# Altium PCB DMP_SEM_MAIN_PCB.PcbDoc (part 1 of 2) (continued)
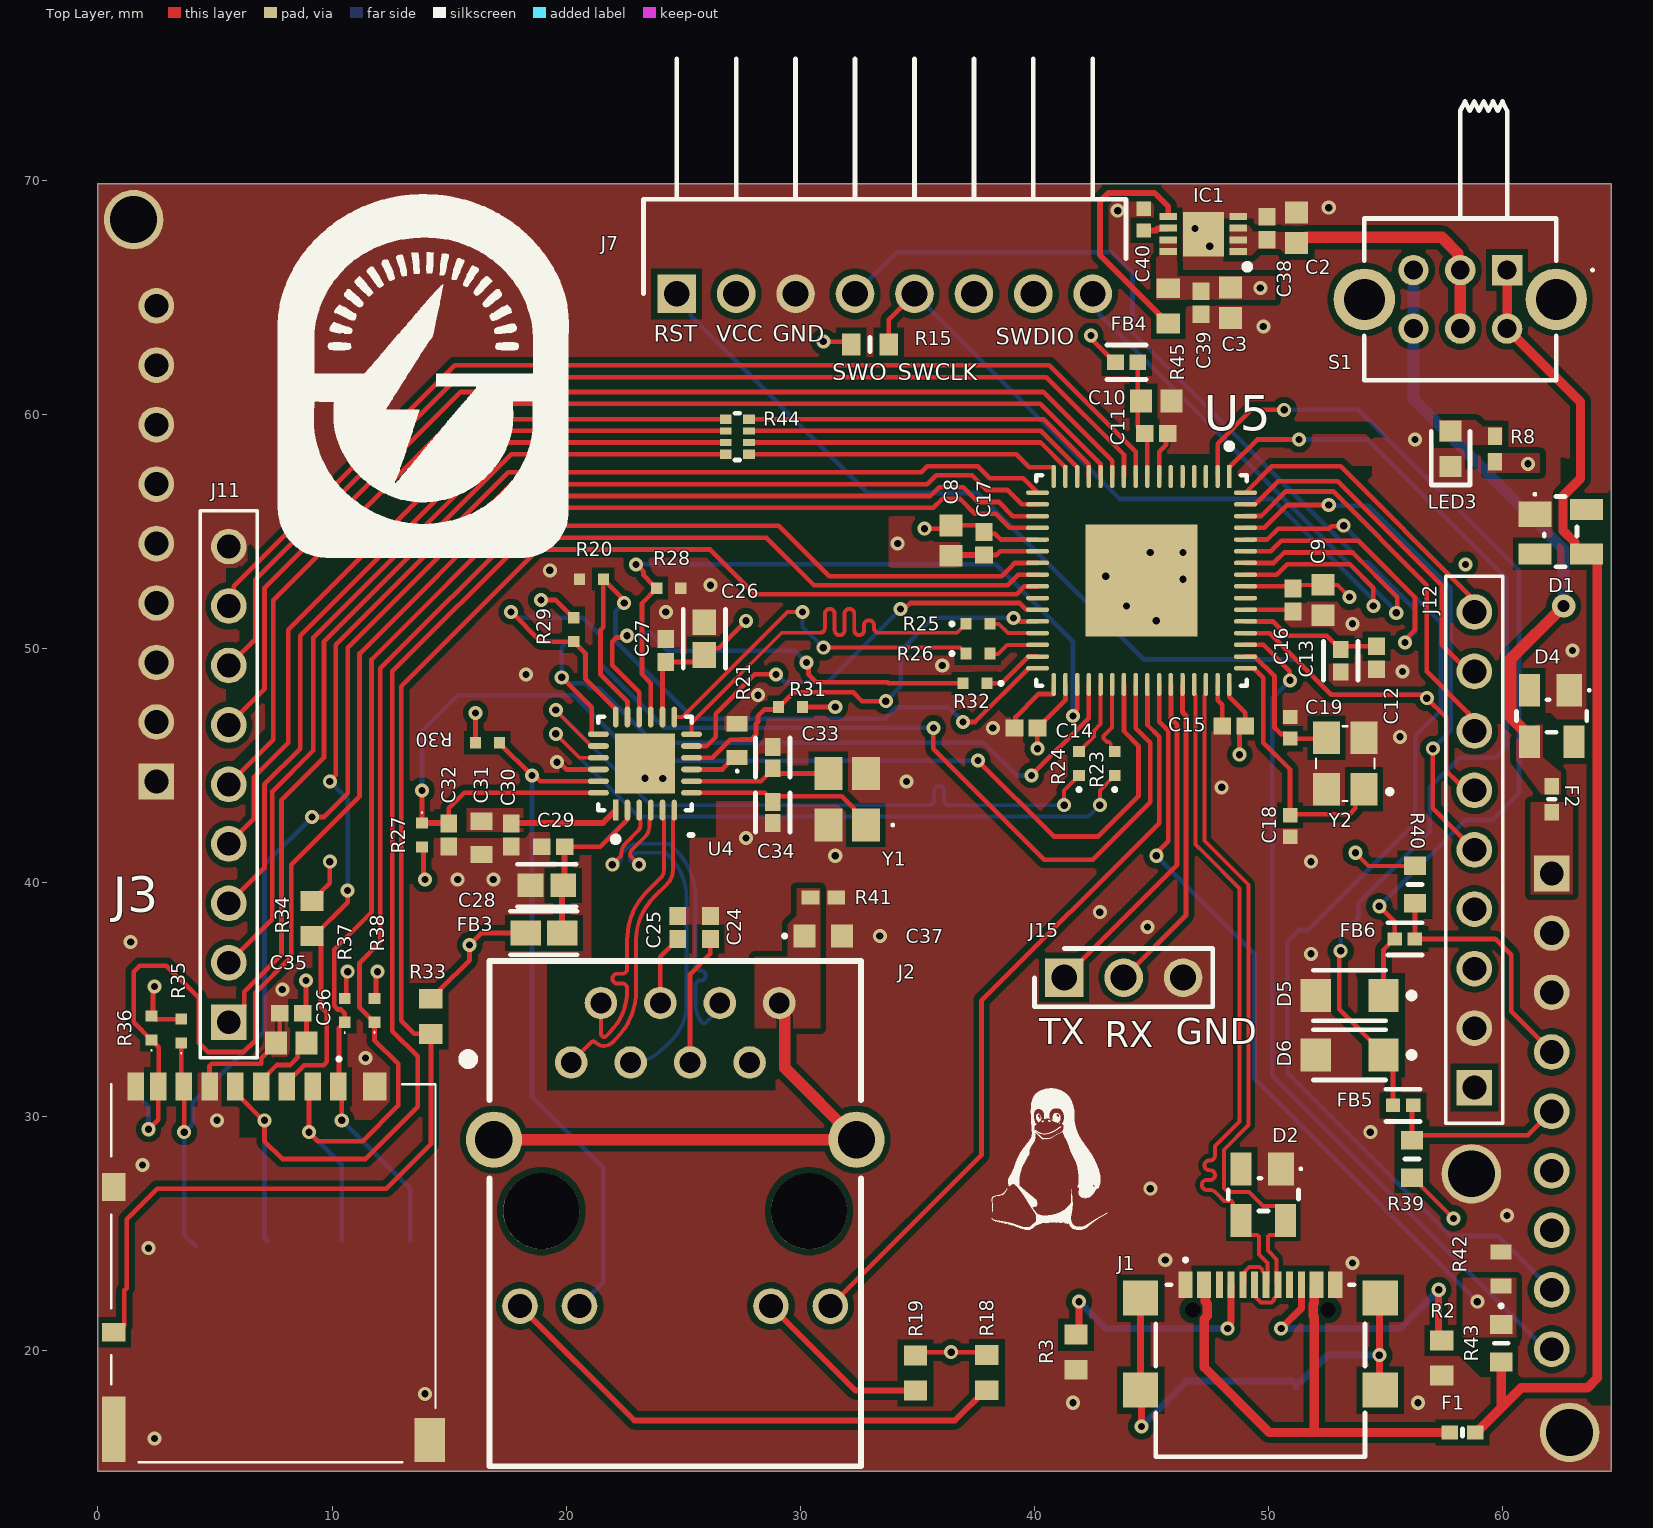
[diagram p0: Top Layer view]
## Part data
C1 C37: library part C0603X473J3RAC3316, "Capacitor C0603X473J3RAC3316", Manufacturer_Name=KEMET, Mouser Part Number=80-C0603X473J3RC3316, Datasheet Link=https://content.kemet.com/datasheets/KEM_X7R_FT_VW_AUDI.pdf, Height=0.87mm, Manufacturer_Part_Number=C0603X473J3RAC3316, Mouser Price/Stock=https://www.mouser.co.uk/ProductDetail/KEMET/C0603X473J3RAC3316?qs=u4fy%2FsgLU9PxJdvX5onriA%3D%3D
C2 C3 C8 C9 C10 C36: library part CL10A106KO8NQNC, "Capacitor 10uF CL10A106KO8NQNC", Manufacturer_Name=SAMSUNG, Arrow Part Number=CL10A106KO8NQNC, Arrow Price/Stock=https://www.arrow.com/en/products/cl10a106ko8nqnc/samsung-electro-mechanics, ComponentLink1Description=shop, ComponentLink1URL=https://cz.mouser.com/ProductDetail/Samsung-Electro-Mechanics/CL10A106KO8NQNC?qs=xZ%2FP%252Ba9zWqY%252BA5vKSHboXg%3D%3D, Datasheet Link=https://product.samsungsem.com/mlcc/CL10A106KO8NQN.do, Height=0.95mm, Manufacturer_Part_Number=CL10A106KO8NQNC
C11 C12 C14 C15 C16 C17 C24 C25 C27 C29 C30 C32 C35 C38 C39: library part CMP-2000-05439-1, "Chip Capacitor, 100 nF, +/- 10%, 16 V, -55 to 125 degC, 0402 (1005 Metric), RoHS, Tape and ReelCL05B104KO5NNNC", Capacitance=100000pF, Case Size/Dimension=0402, Dielectric=X7R, Manufacturer="Samsung Electro-Mechanics", Rated Voltage=16V, Tolerance (%)=±10%, Datasheet URL=https://datasheet.ciiva.com/29198/458718-da-01-en-vs-kondensator-0402-29198423.pdf, Datasheet Version=Nov-10, Manufacturer URL=http://www.samsungsem.com/global/index.jsp
C13: library part CMP-13271-001251-1, "Cap Ceramic 4.7uF 10V X5R ±10% SMD 0402 +85°C Paper T/R   CL05A475KP5NRNC", Case Code (Imperial)=0402, Case Code (Metric)=1005, Dielectric=X5R, Max Operating Temperature=85°C, Min Operating Temperature=-55°C, Package Quantity=1, Tolerance=10%, Voltage Rating=10V, Capacitance=4.7uF, Case/Package=0402, Depth=0.5mm, Height=0.5mm, Lead Free="Lead Free", Length=1mm, Material=Ceramic, Mount="Surface Mount", Packaging="Tape and Reel", Radiation Hardening=No, Thickness=0.022inch, Width=0.02inch
C18 C19: library part GRM1555C1H120JA01D, "Capacitor GRM1555C1H120JA01D", Manufacturer_Name="Murata Electronics", Mouser Part Number=81-GRM1555C1H120JA1D, Arrow Part Number=GRM1555C1H120JA01D, Arrow Price/Stock=https://www.arrow.com/en/products/grm1555c1h120ja01d/murata-manufacturing?region=nac, Datasheet Link=http://www.murata.com/~/media/webrenewal/support/library/catalog/products/capacitor/mlcc/c02e.pdf, Height=0.55mm, Manufacturer_Part_Number=GRM1555C1H120JA01D, Mouser Price/Stock=https://www.mouser.co.uk/ProductDetail/Murata-Electronics/GRM1555C1H120JA01D?qs=to8XolpOzrOCHudLswyzbw%3D%3D
C26: library part CMP-2000-06337-3, "Chip Multilayer Ceramic Capacitors for General Purpose, 0603, 22uF, X5R, 15%, 20%, 10V     GRM188R61A226ME15D", Case Code (Imperial)=0603, Case Code (Metric)=1608, Dielectric=X5R, Max Operating Temperature=85°C, Min Operating Temperature=-55°C, Package Quantity=4000, Tolerance=20%, Voltage Rating=10V, Capacitance=22uF, Case/Package=0603, Depth=0.8mm, Height=0.8mm, Lead Free="Lead Free", Length=1.6mm, Material=Ceramic, Mount="Surface Mount", Packaging="Tape and Reel", REACH SVHC="No SVHC", Termination=SMD/SMT, Thickness=0.039inch, Voltage Rating (DC)=10V, Weight=0.000222oz, Width=0.8mm
C28: library part CMP-2000-06337-3, "Chip Multilayer Ceramic Capacitors for General Purpose, 0603, 22uF, X5R, 15%, 20%, 10V       GRM188R61A226ME15D", Case Code (Imperial)=0603, Case Code (Metric)=1608, Dielectric=X5R, Max Operating Temperature=85°C, Min Operating Temperature=-55°C, Package Quantity=4000, Tolerance=20%, Voltage Rating=10V, Capacitance=22uF, Case/Package=0603, Depth=0.8mm, Height=0.8mm, Lead Free="Lead Free", Length=1.6mm, Material=Ceramic, Mount="Surface Mount", Packaging="Tape and Reel", REACH SVHC="No SVHC", Termination=SMD/SMT, Thickness=0.039inch, Voltage Rating (DC)=10V, Weight=0.000222oz, Width=0.8mm
C31: library part GRM188R61C225KAADJ, "Capacitor GRM188R61C225KAADJ", Manufacturer_Name="Murata Electronics", Mouser Part Number=81-GRM188R61C225KADJ, Datasheet Link=http://componentsearchengine.com/Datasheets/1/GRM188R61C225KAADJ.pdf, Height=0.9mm, Manufacturer_Part_Number=GRM188R61C225KAADJ, Mouser Price/Stock=https://www.mouser.co.uk/ProductDetail/Murata-Electronics/GRM188R61C225KAADJ?qs=QzBtWTOodeWhnkdg0se%2F2g%3D%3D
C33 C34: library part C0402C120J5GACTU, "CAP CER 12PF 50V C0G/NP0 0402 C0402C120J5GACTU", Capacitance="12 pF", Manufacturer=Kemet, Package=C0402-BB, Temperature="-55°C to +125°C", Temperature Characteristic=C0G, Temperature Coefficient=15%, Temperature Range High=+125°C, Temperature Range Low=-55°C, Tolerance=0.05, Voltage Rating="50 V", Automotive=No, Category=Cap, ComponentLink2Description=Datasheet, ComponentLink2URL=https://content.kemet.com/datasheets/KEM_C1002_X7R_SMD.pdf, Device Class L1="Passive Components", Device Class L2=Capacitors, Device Class L3="Ceramic Capacitors", Digikey Description="CAP CER 12PF 50V C0G/NP0 0402", Height=0.55mm, Ipc Land Pattern Name=CAPC10050X50, Lead Free=Yes, Manufacturer Part Number=C0402C120J5GACTU, Material=Ceramic, Mouser Description="Multilayer Ceramic Capacitor, C Series, 12 pF, - 5%, C0G / NP0, 50 V, 0402 [1005 Metric]", Octopart=https://octopart.com/c0402c120j5gactu-kemet-141377, RoHS=TRUE
C40: library part GRM155C81C105KE11D, "Capacitor GRM155C81C105KE11D", Manufacturer_Name="Murata Electronics", Mouser Part Number=81-GRM155C81C105KE1D, Arrow Part Number=GRM155C81C105KE11D, Arrow Price/Stock=https://www.arrow.com/en/products/grm155c81c105ke11d/murata-manufacturing?region=nac, Datasheet Link=http://www.murata.com/~/media/webrenewal/support/library/catalog/products/capacitor/mlcc/c02e.pdf, Height=0.55mm, Manufacturer_Part_Number=GRM155C81C105KE11D, Mouser Price/Stock=https://www.mouser.co.uk/ProductDetail/Murata-Electronics/GRM155C81C105KE11D?qs=hNud%2FORuBR1%252BrAX3RD4bmg%3D%3D
D1 D2 D4: library part CMP-2000-05191-1, "TVS Diode Array, 30 pF, 30 KV, -40 to 85 degC, 4-Pin SOT143, RoHS, Tape and Reel", Capacitance Value=30pF, Clamping Voltage=8V, Leakage Current=0.1uA, Manufacturer=Littelfuse, Operating Temp Range=-40Cto85C, Operating Temperature Classification=Industrial, Operating Temperature Max Deg. C=85C, Operating Temperature Min Deg. C=-40C, Package / Case=SOT-143, Reverse Stand-off Voltage=5.5(Min)V, Working Voltage=5.5V, Working Voltage (Max)=5.5V(Min), Clamping Voltage (Max)=8V, Configuration=Triple, Datasheet URL=https://datasheet.ciiva.com/15143/getdatasheetpartid-116020-15143550.pdf, Datasheet Version=Dec-13, Direction Type=Uni-Directional, Leakage Current (Max)=0.1uA, Manufacturer URL=http://www.littelfuse.com/, Mounting=SurfaceMount, Mounting Style=SurfaceMount, Number of Elements=3, Package Type=SOT-143, Packaging=TapeandReel, Pin Count=3+Tab, Polarity=Uni-Directional, Product Depth (mm)=1.4mm, Product Height (mm)=1.05mm, Product Length (mm)=3.04mm, Rad Hardened=No, Suppressor Type=TVS
D5 D6 D7 D8 D9 D10 D11: library part CMP-08607-000053-1, "TVS DIODE 3.3V 6.8V SOD123FL", Breakdown Voltage=3.4V, Clamping Voltage=6.8V, Manufacturer=Littelfuse, Max Junction Temp=+150°C, Package=0, Peak Pulse Current=30A, Peak Pulse Power=200W, Reverse Standoff Voltage=3.3V, Temperature="-55°C to +150°C", Temperature Range Low=-55°C, Automotive=No, Category=Diode, ComponentLink2Description=Datasheet, ComponentLink2URL=https://www.littelfuse.com/~/media/electronics/datasheets/tvs_diodes/littelfuse_tvs_diode_smf3_3_datasheet.pdf.pdf, Device Class L1="Circuit Protection", Device Class L2="TVS Diodes", Device Class L3=unset, Digikey Description="TVS DIODE 3.3V 6.8V SOD123FL", Direction=Unidirectional, Height=1.08mm, Lead Free=Yes, Manufacturer Part Number=SMF3.3, Mouser Description="Diode TVS Single Uni-Dir 3.3V 1.2KW 2-Pin SOD-123FL T/R", Number Of Channels=1, Octopart=https://octopart.com/smf3.3-littelfuse-75449841, RoHS=TRUE, Standoff Height=0mm, Temperature Range High=+150°C
F1 F2: "Fuse", Manufacturer_Name=LITTELFUSE, Datasheet Link=https://4donline.ihs.com/images/VipMasterIC/IC/LFSI/LFSI-S-A0001437699/LFSI-S-A0001437699-1.pdf?hkey=EF798316E3902B6ED9A73243A3159BB0, Height=0.432mm, Manufacturer_Part_Number=0435.500KRHFS
FB3: library part BLM18PG471SN1D, "Chip Ferrite Bead, 0603, 470Ω @ 100MHz, 0.2Ω, 25%, 1A BLM18PG471SN1D", Case Code (Imperial)=0603, Case Code (Metric)=1608, Current Rating=1A, DC Resistance (DCR)=200mR, Max Operating Temperature=125°C, Min Operating Temperature=-55°C, Package Quantity=1, Test Frequency=100MHz, Tolerance=25%, Case/Package=0603, Core Material=Ferrite, DC Current=1A, DC Resistance-Max=200mR, Depth=0.8mm, Height=0.8mm, Impedance=470R, Lead Free="Lead Free", Length=1.6mm, Material=Steel, Max Current Rating=1A, Max DC Current=1A, Military Standard=Not, Number of Circuits=1, Number of Lines=1, Number of Pins=2, Packaging="Tape and Reel", Radiation Hardening=No, REACH SVHC="No SVHC", Resistance=200mR, RoHS Compliant=Yes, Series=BLM18P, Termination=SMD/SMT, Width=0.8mm
FB4: library part CMP-0686-00284-4, "Chip Ferrite Bead, 0402, 80Ω @ 100MHz, 0.07Ω, 25%, 1.5A        BLM15PD800SN1D", Case Code (Imperial)=0402, Case Code (Metric)=1005, Current Rating=1.5A, DC Resistance (DCR)=70mR, Max Operating Temperature=125°C, Min Operating Temperature=-55°C, Package Quantity=1, Test Frequency=100MHz, Tolerance=25%, Case/Package=0402, DC Resistance-Max=70mR, Depth=0.5mm, Height=0.5mm, Impedance=80R, Lead Free="Lead Free", Length=1mm, Material=Ferrite, Max Current Rating=1.5A, Max DC Current=1.5A, Number of Circuits=1, Number of Lines=1, Number of Pins=2, Packaging="Tape and Reel", REACH SVHC="No SVHC", RoHS Compliant=Yes, Series=BLM15PD, Termination=SMD/SMT, Width=0.5mm
FB5: library part CMP-0686-00192-4, "Chip Ferrite Bead, 0402, 1000Ω @ 100MHz, 0.9Ω, 25%, 200mA                              BLM15BD102SN1D", Case Code (Imperial)=0402, Case Code (Metric)=1005, Current Rating=200mA, DC Resistance (DCR)=900mR, Frequency=100MHz, Max Operating Temperature=125°C, Min Operating Temperature=-55°C, Package Quantity=1, Tolerance=25%, Case/Package=0402, Core Material=Ferrite, DC Resistance-Max=900mR, Depth=0.5mm, Height=0.5mm, Impedance=1kR, Lead Free="Lead Free", Length=1mm, Material=Steel, Max Current Rating=200mA, Max DC Current=200mA, Number of Circuits=1, Number of Lines=1, Number of Pins=2, Packaging="Tape and Reel", Radiation Hardening=No, REACH SVHC="No SVHC", Resistance=900mR, Series=BLM15B, Shielding=Unshielded, Termination=Flat, Test Frequency=100MHz, Width=0.5mm
FB6: library part CMP-0686-00192-4, "Chip Ferrite Bead, 0402, 1000Ω @ 100MHz, 0.9Ω, 25%, 200mA                                  BLM15BD102SN1D", Case Code (Imperial)=0402, Case Code (Metric)=1005, Current Rating=200mA, DC Resistance (DCR)=900mR, Frequency=100MHz, Max Operating Temperature=125°C, Min Operating Temperature=-55°C, Package Quantity=1, Tolerance=25%, Case/Package=0402, Core Material=Ferrite, DC Resistance-Max=900mR, Depth=0.5mm, Height=0.5mm, Impedance=1kR, Lead Free="Lead Free", Length=1mm, Material=Steel, Max Current Rating=200mA, Max DC Current=200mA, Number of Circuits=1, Number of Lines=1, Number of Pins=2, Packaging="Tape and Reel", Radiation Hardening=No, REACH SVHC="No SVHC", Resistance=900mR, Series=BLM15B, Shielding=Unshielded, Termination=Flat, Test Frequency=100MHz, Width=0.5mm
IC1: "Integrated Circuit", Arrow Part Number=MCP1725-3302E/MC, Manufacturer_Name=Microchip, Mouser Part Number=579-MCP1725-3302E/MC, Arrow Price/Stock=https://www.arrow.com/en/products/mcp1725-3302emc/microchip-technology, Datasheet Link=http://www.microchip.com/mymicrochip/filehandler.aspx?ddocname=en520352, Height=1mm, Manufacturer_Part_Number=MCP1725-3302E/MC, Mouser Price/Stock=https://www.mouser.co.uk/ProductDetail/Microchip-Technology-Atmel/MCP1725-3302E-MC?qs=gsqZ4L1luKrtGwR6M1mC7A%3D%3D
J1: "Connector", Manufacturer_Name="Amphenol Communications Solutions", Datasheet Link=https://cdn.amphenol-cs.com/media/wysiwyg/files/drawing/gsb1c41x10sshr-ax1.pdf, Height=3.41mm, Manufacturer_Part_Number=GSB1C41110SSHR
J2: "Connector", Manufacturer_Name="Halo Electronics", Mouser Part Number=493-HFJ112450EL12RL, Arrow Part Number=HFJ11-2450E-L12RL, Arrow Price/Stock=https://www.arrow.com/en/products/hfj11-2450e-l12rl/halo-electronics, Datasheet Link=https://componentsearchengine.com/Datasheets/1/HFJ11-2450E-L12RL.pdf, Manufacturer_Part_Number=HFJ11-2450E-L12RL, Mouser Price/Stock=https://www.mouser.co.uk/ProductDetail/HALO-Electronics/HFJ11-2450E-L12RL?qs=8uu3sA0mUduNJw%2FtWFBLbA%3D%3D
J3: "Connector", Manufacturer_Name=Hirose, Mouser Part Number=798-DM3AT-SF-PEJM5, Datasheet Link=https://datasheet.lcsc.com/szlcsc/Hirose-HRS-DM3AT-SF-PEJM5_C114218.pdf, Height=1.83mm, Manufacturer_Part_Number=DM3AT-SF-PEJM5, Mouser Price/Stock=https://www.mouser.co.uk/ProductDetail/Hirose-Connector/DM3AT-SF-PEJM5?qs=LZSZKJVF%252B2WTDKp%252BR7IYAQ%3D%3D
J7: "Connector (programing connector)", Manufacturer_Name="Wurth Elektronik", Mouser Part Number=710-61300811021, ComponentLink1Description=shop, ComponentLink1URL=https://cz.mouser.com/ProductDetail/Wurth-Elektronik/61300811021?qs=PhR8RmCirEbjOoHsfjdbkQ%3D%3D, Datasheet Link=http://katalog.we-online.de/em/datasheet/6130xx11021.pdf, Height=2.54mm, Manufacturer_Part_Number=61300811021, Mouser Price/Stock=https://www.mouser.co.uk/ProductDetail/Wurth-Elektronik/61300811021?qs=PhR8RmCirEbjOoHsfjdbkQ%3D%3D
J11 J12 J13 J14: "Connector", Manufacturer_Name=SAMTEC, Mouser Part Number=200-SSW10901SS, Arrow Part Number=SSW-109-01-S-S, Arrow Price/Stock=https://www.arrow.com/en/products/ssw-109-01-s-s/samtec, Datasheet Link=http://suddendocs.samtec.com/prints/ssw-1xx-xx-xxx-x-xx-xxx-xx-mkt.pdf, Manufacturer_Part_Number=SSW-109-01-S-S, Mouser Price/Stock=https://www.mouser.co.uk/ProductDetail/Samtec/SSW-109-01-S-S?qs=92ilVni64gyiynRZGJ4lIQ%3D%3D
J15: "Connector", Manufacturer_Name=SAMTEC, Mouser Part Number=200-HTSW10307FS, Arrow Part Number=HTSW-103-07-F-S, Arrow Price/Stock=https://www.arrow.com/en/products/htsw-103-07-f-s/samtec?region=nac, Datasheet Link=http://suddendocs.samtec.com/catalog_english/htsw_th.pdf, Height=8.38mm, Manufacturer_Part_Number=HTSW-103-07-F-S, Mouser Price/Stock=https://www.mouser.co.uk/ProductDetail/Samtec/HTSW-103-07-F-S?qs=0lQeLiL1qyYWvFAnBMcXdA%3D%3D
LED3: library part SMLEN3EC8TT86, "LED GREEN SMLEN3EC8TT86", Manufacturer_Name="ROHM Semiconductor", Mouser Part Number=755-SMLEN3EC8TT86, ComponentLink1Description=shop, ComponentLink1URL=https://cz.mouser.com/ProductDetail/ROHM-Semiconductor/SMLEN3EC8TT86?qs=Znm5pLBrcALM%2FhD2B8BI%2FQ%3D%3D, Datasheet Link=https://fscdn.rohm.com/en/products/databook/datasheet/opto/led/chip_mono/smlen3ec8tt86-e.pdf, Height=0.4mm, Manufacturer_Part_Number=SMLEN3EC8TT86, Mouser Price/Stock=https://www.mouser.co.uk/ProductDetail/ROHM-Semiconductor/SMLEN3EC8TT86?qs=Znm5pLBrcALM%2FhD2B8BI%2FQ%3D%3D
R1 R41: library part RC0402FR-071ML, "Resistor RC0402FR-071ML", Manufacturer_Name=KEMET, Mouser Part Number=603-RC0402FR-071ML, ComponentLink1Description=shop, ComponentLink1URL=https://cz.mouser.com/ProductDetail/YAGEO/RC0402FR-071ML?qs=V1yeUXFNrknfoI4987wfBQ%3D%3D, Datasheet Link=http://www.yageo.com/documents/recent/PYu-RC0402_51_RoHS_L_6_r.pdf, Height=0.4mm, Manufacturer_Part_Number=RC0402FR-071ML, Mouser Price/Stock=https://www.mouser.co.uk/ProductDetail/YAGEO/RC0402FR-071ML?qs=V1yeUXFNrknfoI4987wfBQ%3D%3D
R2 R3 R22 R33 R34 R45: library part CRCW060310K0FKEA, "Resistor CRCW060310K0FKEA", Manufacturer_Name=Vishay, Mouser Part Number=71-CRCW0603-10K-E3, Arrow Part Number=CRCW060310K0FKEA, Arrow Price/Stock=https://www.arrow.com/en/products/crcw060310k0fkea/vishay?region=nac, ComponentLink1Description=shop, ComponentLink1URL=https://cz.mouser.com/ProductDetail/Vishay-Dale/CRCW060310K0FKEA?qs=pAO1Z172M84BVnhDjtnsoQ%3D%3D, Datasheet Link=http://www.vishay.com/docs/20035/dcrcwe3.pdf, Height=0.5mm, Manufacturer_Part_Number=CRCW060310K0FKEA, Mouser Price/Stock=https://www.mouser.co.uk/ProductDetail/Vishay-Dale/CRCW060310K0FKEA?qs=pAO1Z172M84BVnhDjtnsoQ%3D%3D
R8: library part CRCW0402150RFKEDHP, "Resistor CRCW0402150RFKEDHP", Manufacturer_Name=Vishay, Mouser Part Number=71-CRCW0402150RFKEDH, Arrow Part Number=CRCW0402150RFKEDHP, Arrow Price/Stock=https://www.arrow.com/en/products/crcw0402150rfkedhp/vishay?region=nac, ComponentLink1Description=shop, ComponentLink1URL=https://cz.mouser.com/ProductDetail/Vishay-Dale/CRCW0402150RFKEDHP?qs=40TFAHZMFvfqtIOyP%252B2vGQ%3D%3D, Datasheet Link=http://www.vishay.com/docs/20035/dcrcwe3.pdf, Height=0.4mm, Manufacturer_Part_Number=CRCW0402150RFKEDHP, Mouser Price/Stock=https://www.mouser.co.uk/ProductDetail/Vishay-Dale/CRCW0402150RFKEDHP?qs=40TFAHZMFvfqtIOyP%252B2vGQ%3D%3D
R15: library part RC0603FR-071KL, "Resistor RC0603FR-071KL", Manufacturer_Name=YAGEO, Mouser Part Number=603-RC0603FR-071KL, Arrow Part Number=RC0603FR-071KL, Arrow Price/Stock=https://www.arrow.com/en/products/rc0603fr-071kl/yageo?region=europe, ComponentLink1Description=shop, ComponentLink1URL=https://cz.mouser.com/ProductDetail/YAGEO/RC0603FR-071KL?qs=VU8sRB4EgwApHsk4rF%2F3zg%3D%3D, Datasheet Link=https://www.yageo.com/upload/media/product/productsearch/datasheet/rchip/PYu-RC_Group_51_RoHS_L_12.pdf, Height=0.55mm, Manufacturer_Part_Number=RC0603FR-071KL, Mouser Price/Stock=https://www.mouser.co.uk/ProductDetail/YAGEO/RC0603FR-071KL?qs=VU8sRB4EgwApHsk4rF%2F3zg%3D%3D
R18 R19: library part CRCW0603220RFKEC, "Resistor CRCW0603220RFKEC", Manufacturer_Name=Vishay, Arrow Part Number=CRCW0603220RFKEC, Arrow Price/Stock=https://www.arrow.com/en/products/crcw0603220rfkec/vishay, Datasheet Link=http://www.vishay.com/docs/20035/dcrcwe3.pdf, Height=0.5mm, Manufacturer_Part_Number=CRCW0603220RFKEC
R20 R28 R29 R30 R31: library part ERA-2AEB202X, "Resistor ERA-2AEB202X", Manufacturer_Name=Panasonic, Mouser Part Number=667-ERA-2AEB202X, Arrow Part Number=ERA-2AEB202X, Arrow Price/Stock=https://www.arrow.com/en/products/era-2aeb202x/panasonic?region=nac, Datasheet Link=http://industrial.panasonic.com/cdbs/www-data/pdf/RDM0000/AOA0000C307.pdf, Height=0.4mm, Manufacturer_Part_Number=ERA-2AEB202X, Mouser Price/Stock=https://www.mouser.co.uk/ProductDetail/Panasonic/ERA-2AEB202X?qs=YFwoyZoVY0hwTijpJ0mp2Q%3D%3D
R21: library part ERA-3AEB6491V, "Resistor ERA-3AEB6491V", Manufacturer_Name=Panasonic, Mouser Part Number=667-ERA-3AEB6491V, Arrow Part Number=ERA-3AEB6491V, Arrow Price/Stock=https://www.arrow.com/en/products/era-3aeb6491v/panasonic?region=nac, Datasheet Link=https://industrial.panasonic.com/cdbs/www-data/pdf/RDM0000/AOA0000C307.pdf, Height=0.55mm, Manufacturer_Part_Number=ERA-3AEB6491V, Mouser Price/Stock=https://www.mouser.co.uk/ProductDetail/Panasonic/ERA-3AEB6491V?qs=nuXzIS8loXFxZ26VDEo1yw%3D%3D
R23 R24 R25 R26 R32: library part ERJ-U02F33R0X, "Resistor ERJ-U02F33R0X", Manufacturer_Name=Panasonic, Mouser Part Number=667-ERJ-U02F33R0X, Arrow Part Number=ERJ-U02F33R0X, Arrow Price/Stock=https://www.arrow.com/en/products/erj-u02f33r0x/panasonic, Datasheet Link=https://industrial.panasonic.com/cdbs/www-data/pdf/RDP0000/AOA0000C334.pdf, Height=0.4mm, Manufacturer_Part_Number=ERJ-U02F33R0X, Mouser Price/Stock=https://www.mouser.co.uk/ProductDetail/Panasonic/ERJ-U02F33R0X?qs=bKFmlxG1yYAQpbiolqWZyA%3D%3D
R27 R35 R36 R37 R38: library part ERJ-2RKF1003X, "Resistor ERJ-2RKF1003X", Manufacturer_Name=Panasonic, Mouser Part Number=667-ERJ-2RKF1003X, Arrow Part Number=ERJ-2RKF1003X, Arrow Price/Stock=https://www.arrow.com/en/products/erj-2rkf1003x/panasonic?region=europe, Datasheet Link=https://industrial.panasonic.com/cdbs/www-data/pdf/RDA0000/AOA0000C86.pdf, Height=0.4mm, Manufacturer_Part_Number=ERJ-2RKF1003X, Mouser Price/Stock=https://www.mouser.co.uk/ProductDetail/Panasonic/ERJ-2RKF1003X?qs=H7k1u0Mp9JQnXoBKdf15Qg%3D%3D
R39 R40: library part ERJ-3EKF4701V, "Resistor ERJ-3EKF4701V", Manufacturer_Name=Panasonic, Mouser Part Number=667-ERJ-3EKF4701V, Arrow Part Number=ERJ-3EKF4701V, Arrow Price/Stock=https://www.arrow.com/en/products/erj-3ekf4701v/panasonic?region=nac, Datasheet Link=http://industrial.panasonic.com/cdbs/www-data/pdf/RDA0000/AOA0000C86.pdf, Height=0.55mm, Manufacturer_Part_Number=ERJ-3EKF4701V, Mouser Price/Stock=https://www.mouser.co.uk/ProductDetail/Panasonic/ERJ-3EKF4701V?qs=MVjVSMjNRMouVvwnqrpO2w%3D%3D
R42: library part ERJ-PA3D4752V, "Resistor ERJ-PA3D4752V", Manufacturer_Name=Panasonic, Mouser Part Number=667-ERJ-PA3D4752V, ComponentLink1Description=shop, ComponentLink1URL=https://cz.mouser.com/ProductDetail/Panasonic/ERJ-PA3D4752V?qs=sGAEpiMZZMvdGkrng054t6%2FAfIpq60YDheWhyQd1h%252BlH%252BmzCFBvaFw%3D%3D, Datasheet Link=https://industrial.panasonic.com/cdbs/www-data/pdf/RDO0000/AOA0000C331.pdf, Height=0.55mm, Manufacturer_Part_Number=ERJ-PA3D4752V, Mouser Price/Stock=https://www.mouser.co.uk/ProductDetail/Panasonic/ERJ-PA3D4752V?qs=BzJM0faLVqWBfdYKa9t4jw%3D%3D
R43: library part RT0603DRD0730KL, "Resistor RT0603DRD0730KL", Manufacturer_Name=YAGEO, Datasheet Link=https://www.mouser.cn/datasheet/2/447/PYu_RT_1_to_0_01_RoHS_L_12-3003070.pdf, Height=0.55mm, Manufacturer_Part_Number=RT0603DRD0730KL
R44: library part CAY10-220J4LF, "Resistor CAY10-220J4LF", Manufacturer_Name=Bourns, Mouser Part Number=652-CAY10-220J4LF, Arrow Part Number=CAY10-220J4LF, Arrow Price/Stock=https://www.arrow.com/en/products/cay10-220j4lf/bourns?region=nac, Datasheet Link=https://datasheet.datasheetarchive.com/originals/distributors/SFDatasheet-7/sf-000140093.pdf, Manufacturer_Part_Number=CAY10-220J4LF, Mouser Price/Stock=https://www.mouser.co.uk/ProductDetail/Bourns/CAY10-220J4LF?qs=%252BM3HcY7%2F9%2FdIOc98WmS2zw%3D%3D
S1: "Switch", Manufacturer_Name="CUI Devices", Mouser Part Number=179-SLW-826947-5ARAD, Arrow Part Number=SLW-826947-5A-RA-D, Arrow Price/Stock=https://www.arrow.com/en/products/slw-826947-5a-ra-d/cui-devices?region=nac, ComponentLink1Description=shop, ComponentLink1URL=https://cz.mouser.com/ProductDetail/CUI-Devices/SLW-826947-5A-RA-D?qs=1Kr7Jg1SGW8v9IaaOZIpLQ%3D%3D, Datasheet Link=https://www.cuidevices.com/product/resource/slw-826947-5a-ra-d.pdf, Height=4.9mm, Manufacturer_Part_Number=SLW-826947-5A-RA-D, Mouser Price/Stock=https://www.mouser.co.uk/ProductDetail/CUI-Devices/SLW-826947-5A-RA-D?qs=1Kr7Jg1SGW8v9IaaOZIpLQ%3D%3D
U4: library part CMP-06281-000080-1, "IC TRANSCEIVER FULL 1/1 24QFN", Case/Package=QFN, Max Operating Temperature=70°C, Max Supply Current=47A, Max Supply Voltage=3.465V, Min Operating Temperature=0°C, Min Supply Voltage=3.135V, Operating Supply Voltage=3.3V, Package Quantity=1000, Data Rate=100Mbps, Lead Free="Lead Free", Length=4mm, Mount="Surface Mount", Number of Pins=32, Number of Transceivers=1, Packaging="Tape and Reel", REACH SVHC="No SVHC", RoHS Compliant=Yes, Series=-, Simplex/Duplex="Full Duplex", Standard="10/100 BASE-TX", Width=4mm
U5: library part CMP-06276-000633-1, "IC MCU 32BIT 1MB FLASH 64VQFN", Case/Package=VQFN, Frequency=120MHz, Max Operating Temperature=85°C, Min Operating Temperature=-40°C, Core Architecture=ARM, Interface=I2C, Memory Size=1MB, Memory Type=FLASH, Number of I/Os=51, Oscillator Type=Internal, Packaging=Tray, Peripherals="Brown-out Detect/Reset"
Y1: library part LFXTAL071758Cutt, "Crystal LFXTAL071758Cutt", Manufacturer_Name=IQD, Mouser Part Number=449-LFXTAL071758CUTT, Datasheet Link=https://www.iqdfrequencyproducts.com/products/pn/LFXTAL071758Reel.pdf, Height=0.8mm, Manufacturer_Part_Number=LFXTAL071758Cutt, Mouser Price/Stock=https://www.mouser.co.uk/ProductDetail/IQD/LFXTAL071758Cutt?qs=nFovR%252B4R4UN8RYPh9I588Q%3D%3D
Y2: library part ABM8W-12.0000MHZ-6-B1U-T3, "Crystal or OscillatorABM8W-12.0000MHZ-6-B1U-T3", Manufacturer_Name=ABRACON, Mouser Part Number=815-8W12-6B1UT, Arrow Part Number=ABM8W-12.0000MHZ-6-B1U-T3, Arrow Price/Stock=https://www.arrow.com/en/products/abm8w12.0000mhz6b1ut3/abracon, Datasheet Link=https://www.abracon.com/Resonators/ABM8W.pdf, Height=0.75mm, Manufacturer_Part_Number=ABM8W-12.0000MHZ-6-B1U-T3, Mouser Price/Stock=https://www.mouser.co.uk/ProductDetail/ABRACON/ABM8W-120000MHZ-6-B1U-T3?qs=5aG0NVq1C4wmLirByrVjhQ%3D%3D

## Free pads (board coordinates)
  round 2.54 hole 2: 14(1.524,68.326) 14(58.674,27.559) 14(62.865,16.51)

## Via types
v1: diameter 0.6, hole 0.31, Top Layer to Bottom Layer, 118 vias
v2: diameter 0.6, hole 0.3, Top Layer to Bottom Layer, 11 vias
v3: diameter 1, hole 0.5, Top Layer to Bottom Layer, 1 vias

## Nets (pads, with @x,y where several pads share a name; then routed paths per layer and width w, separated by ;. In a path a pad name is that pad's centre, name@x,y a point inside that pad or via, vN(x,y) a via of type N, cw(c..) or ccw(c..) an arc to the next point about the centre after c; other vN are vias at no path point)
1V2: C30.2 C31.1 U4.1 | length 4.7
  Top Layer w0.254: C30.2@17.653,42.547 21.569,42.547 U4.1@22.118,43.096
5V: C2.1 C38.2 IC1.1 IC1.2 IC1.3 S1.2 S1.5 | length 10.5
  Top Layer w0.5: C2.1@51.205,67.322 51.42,67.537 51.594,67.537 51.621,67.564 57.404,67.564 58.092,66.876 58.092,66.273 S1.2@58.198,66.167 S1.5@58.198,63.667
+5: D4.3 F2.2 S1.3 S1.6 | length 24.1
  Top Layer w0.5: D4.3@61.153,46.017 61.153,46.267 60.353,47.067 60.353,49.558 v3(62.611,51.816)
  Bottom Layer w0.5: S1.3@56.198,66.167 S1.6@56.198,63.667 56.198,60.642 62.611,54.229 v3(62.611,51.816)
BUTTON_DOWN: J12.5 U5.61 | length 22.9
  Top Layer w0.2: U5.61@49.022,55.157 49.823,55.157 50.8,56.134 v1(52.578,56.134) ; v1(57.023,45.72) 57.023,43.18 J12.5@58.801,41.402
  Bottom Layer w0.2: v1(52.578,56.134) 52.618,56.094 54.269,56.094 57.785,52.578 57.785,46.482 v1(57.023,45.72)
BUTTON_OK: J12.7 U5.62 | length 16.9
  Top Layer w0.2: U5.62@49.022,55.657 49.026,55.661 49.692,55.661 50.743,56.712 52.762,56.712 56.769,52.705 56.769,49.022 58.548,47.243 58.548,46.735 J12.7@58.801,46.482
BUTTON_UP: J12.8 U5.63 | length 15
  Top Layer w0.2: U5.63@49.022,56.157 49.026,56.161 49.43,56.161 50.419,57.15 52.959,57.15 57.404,52.705 57.404,50.165 58.547,49.022 J12.8@58.801,49.022
D_N: D2.3 J1.A7 J1.B7 U5.45 | length 31.7
  Top Layer w0.165: U5.45@46.831,48.466 46.831,48.06 46.889,48.003 46.889,41.63 47.244,41.275 48.768,39.751 48.768,34.774 48.768,31.115 48.768,29.798 47.716,28.746 47.716,28.341 cw(c47.507,28.341) 47.507,28.131 47.48,28.131 ccw(c47.48,27.922) 47.27,27.922 ccw(c47.48,27.922) 47.48,27.712 47.507,27.712 cw(c47.507,27.503) 47.716,27.503 cw(c47.507,27.503) 47.507,27.293 47.364,27.293 ccw(c47.364,27.084) 47.154,27.084 ccw(c47.364,27.084) 47.364,26.874 47.488,26.874 cw(c47.488,26.517) 47.741,26.769 47.823,26.687 48.108,26.402 48.416,26.402 48.494,26.325 48.494,25.91 D2.3@48.834,25.57 48.834,25.32 49.202,24.953 49.514,24.953 49.592,24.875 49.592,24.12 49.965,23.747 49.965,22.879 J1.A7@49.907,22.821 49.907,23.246 49.74,23.413 49.74,23.472 49.633,23.579 49.181,23.579 48.974,23.372 48.974,22.888 J1.B7@48.907,22.821
D_P: D2.4 J1.A6 J1.B6 U5.46 | length 31.7
  Top Layer w0.165: U5.46@47.331,48.466 47.331,48.06 47.274,48.003 47.274,41.79 49.153,39.91 49.153,29.639 48.101,28.587 48.101,26.953 48.267,26.787 49.171,26.787 49.771,26.187 50.367,26.187 50.734,25.82 D2.4@50.734,25.57 50.734,25.32 50.367,24.953 50.054,24.953 49.977,24.875 49.977,24.279 50.35,23.906 50.35,22.879 J1.B6@50.407,22.821 50.407,22.396 50.24,22.229 50.24,22.17 50.133,22.063 49.681,22.063 49.474,22.27 49.474,22.754 J1.A6@49.407,22.821
DISPLAY_DC: J11.6 U5.11 | length 48.1
  Top Layer w0.2: J11.6@5.588,46.736 7.112,48.26 7.112,52.578 15.494,60.96 40.386,60.96 43.331,58.015 U5.11@43.331,57.348
DISPLAY_EN: J11.8 U5.9 | length 46
  Top Layer w0.2: J11.8@5.588,51.816 5.801,52.029 5.801,52.664 15.24,62.103 40.64,62.103 44.331,58.412 U5.9@44.331,57.348
DISPLAY_RST: J11.5 U5.12 | length 49.1
  Top Layer w0.2: J11.5@5.588,44.196 7.493,46.101 7.493,52.07 15.875,60.452 40.259,60.452 42.831,57.88 U5.12@42.831,57.348
DISPLAY_RW: J11.7 U5.10 | length 47.1
  Top Layer w0.2: J11.7@5.588,49.276 6.731,50.419 6.731,52.959 15.367,61.595 40.513,61.595 43.831,58.277 U5.10@43.831,57.348
DISPLAY_SPI_CLK: R44.7 U5.14 | length 15.1
  Top Layer w0.2: R44.7@27.813,59.301 40.269,59.301 41.831,57.739 U5.14@41.831,57.348
DISPLAY_SPI_CS: R44.6 U5.15 | length 14
  Top Layer w0.2: R44.6@27.813,58.801 40.269,58.801 U5.15@41.327,57.742
DISPLAY_SPI_MISO: R44.5 U5.16 | length 13.2
  Top Layer w0.2: R44.5@27.813,58.301 39.235,58.301 39.794,57.742 U5.16@40.827,57.742
DISPLAY_SPI_MOSI: R44.8 U5.13 | length 15.8
  Top Layer w0.2: R44.8@27.813,59.801 40.402,59.801 42.331,57.872 U5.13@42.331,57.348
ETH_CON_LED: J12.9 U5.64 | length 13.1
  Top Layer w0.2: U5.64@49.022,56.657 50.15,57.785 53.086,57.785 58.548,52.323 58.548,51.815 J12.9@58.801,51.562
ETH_GMDC: U4.11 U5.27 | length 18.3
  Top Layer w0.2: U4.11@25.357,45.835 26.003,45.835 26.388,46.219 26.388,47.216 28.067,48.895 v2(28.956,48.895) ; v2(34.29,51.689) 34.398,51.689 34.527,51.817 34.569,51.817 34.694,51.943 39.37,51.943 39.652,51.661 40.136,51.661 U5.27@40.14,51.657
  Bottom Layer w0.2: v2(28.956,48.895) 29.001,48.895 29.332,48.564 31.165,48.564 v2(34.29,51.689)